# KiCad board HPM6750_ADC_EVK_RevA.kicad_pcb (continued)
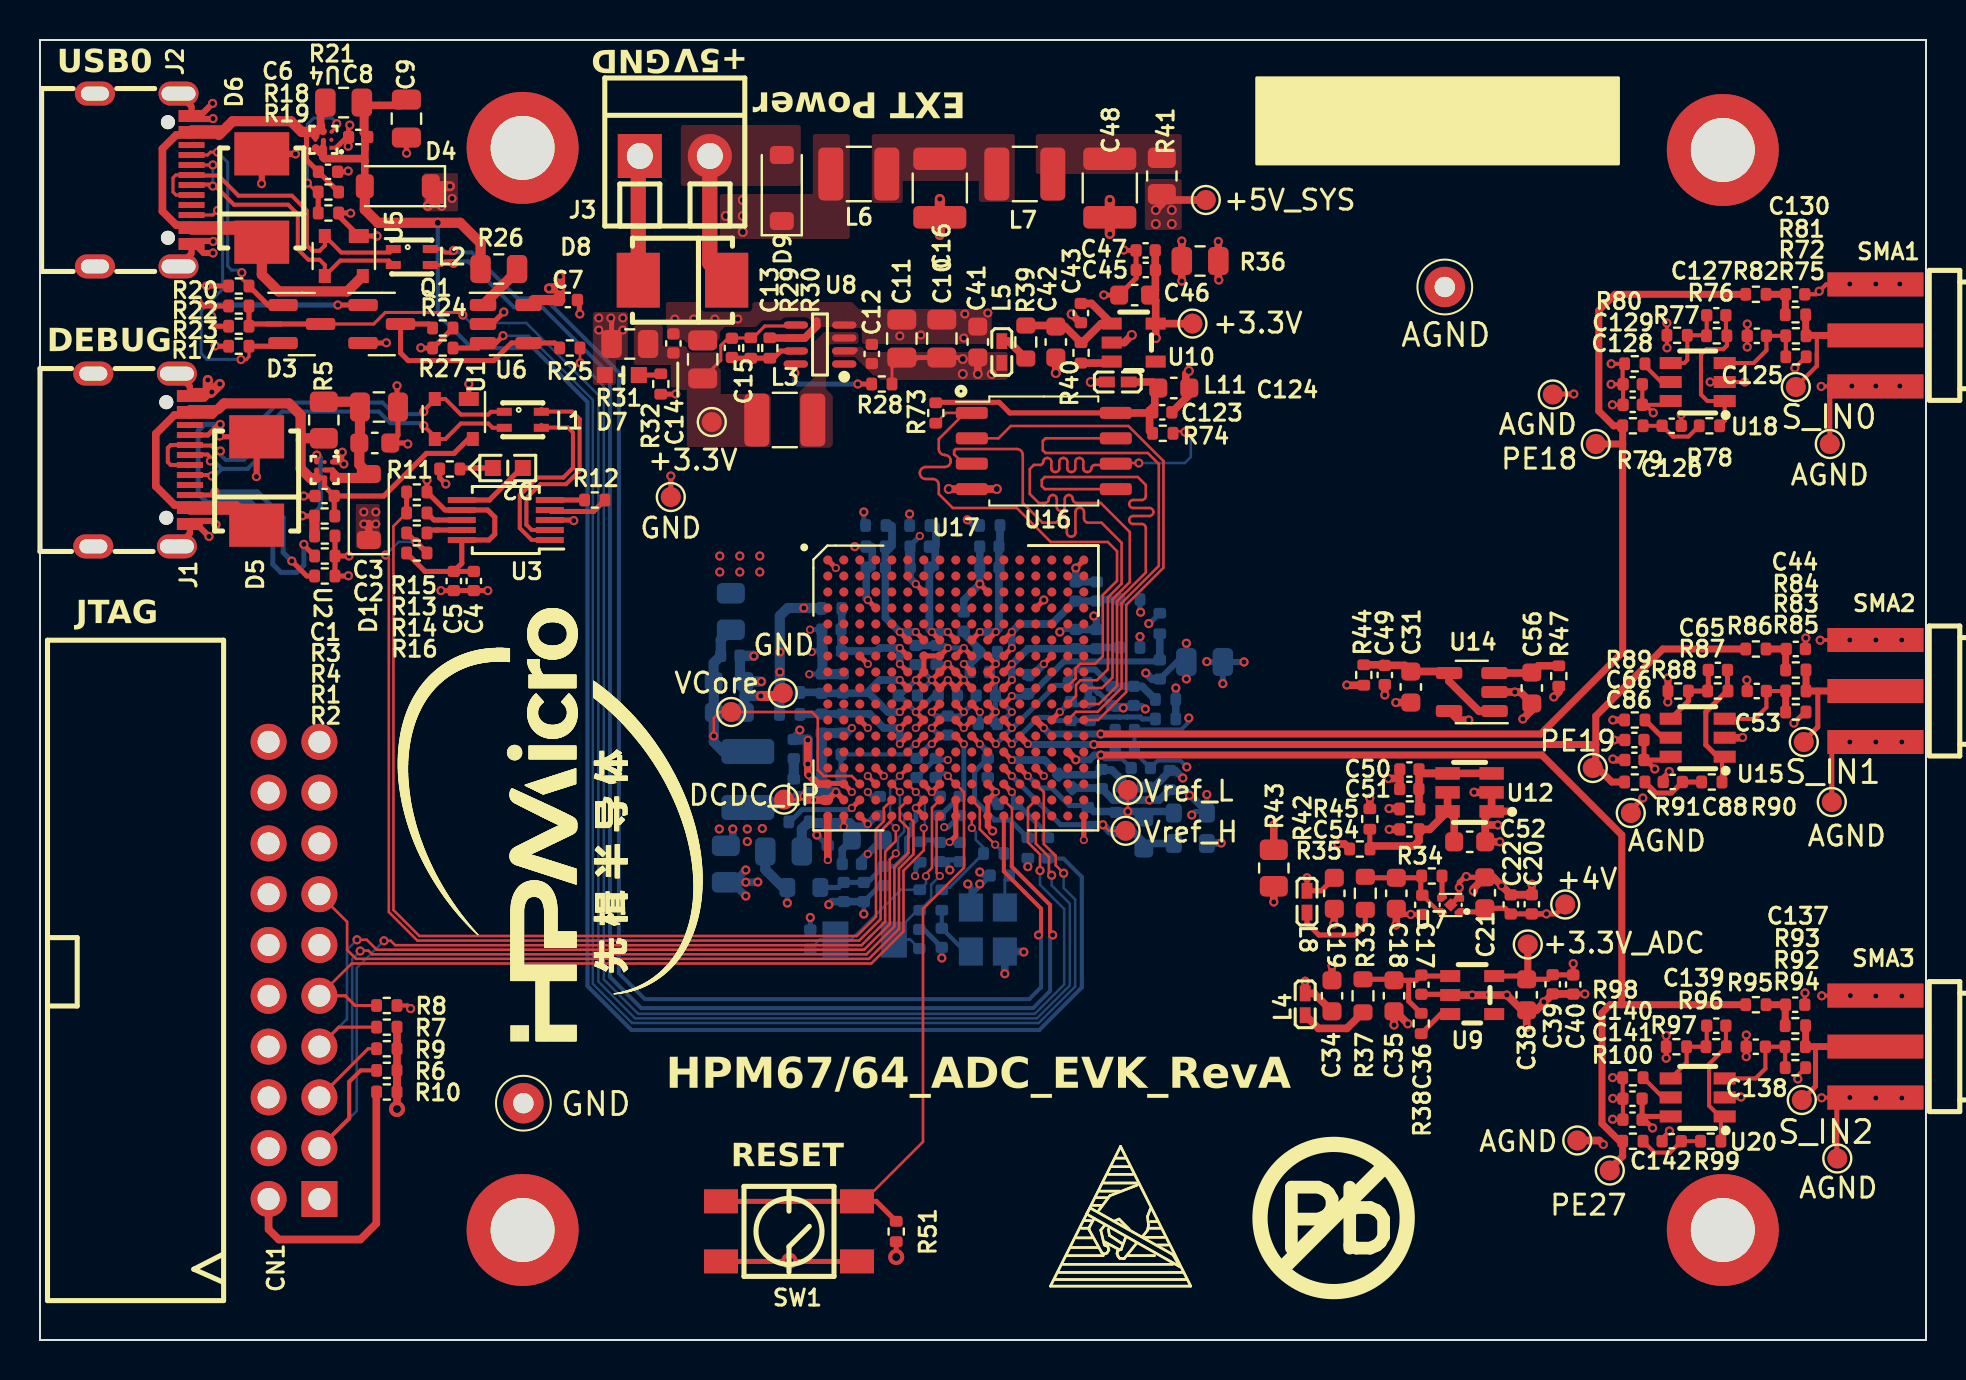
[diagram p0: board, top side]
## Footprints (pads in the part's own frame, mm; a bottom-side part is the same pattern mirrored in y, then rotated)
3215
  rect 1.3x1.801 smd: 1(-1.458,0) 2(1.458,0)
BGA-289_17x17_14.0x14.0mm
  round 0.45 smd: A1(-6.4,6.4) A2(-5.6,6.4) A3(-4.8,6.4) A4(-4,6.4) A5(-3.2,6.4) A6(-2.4,6.4) A7(-1.6,6.4) A8(-0.8,6.4) A9(0,6.4) A10(0.8,6.4) A11(1.6,6.4) A12(2.4,6.4) A13(3.2,6.4) A14(4,6.4) A15(4.8,6.4) A16(5.6,6.4) A17(6.4,6.4) B1(-6.4,5.6) B2(-5.6,5.6) B3(-4.8,5.6) B4(-4,5.6) B5(-3.2,5.6) B6(-2.4,5.6) B7(-1.6,5.6) B8(-0.8,5.6) B9(0,5.6) B10(0.8,5.6) B11(1.6,5.6) B12(2.4,5.6) B13(3.2,5.6) B14(4,5.6) B15(4.8,5.6) B16(5.6,5.6) B17(6.4,5.6) C1(-6.4,4.8) C2(-5.6,4.8) C3(-4.8,4.8) C4(-4,4.8) C5(-3.2,4.8) C6(-2.4,4.8) C7(-1.6,4.8) C8(-0.8,4.8) C9(0,4.8) C10(0.8,4.8) C11(1.6,4.8) C12(2.4,4.8) C13(3.2,4.8) C14(4,4.8) C15(4.8,4.8) C16(5.6,4.8) C17(6.4,4.8) D1(-6.4,4) D2(-5.6,4) D3(-4.8,4) D4(-4,4) D5(-3.2,4) D6(-2.4,4) D7(-1.6,4) D8(-0.8,4) D9(0,4) D10(0.8,4) D11(1.6,4) D12(2.4,4) D13(3.2,4) D14(4,4) D15(4.8,4) D16(5.6,4) D17(6.4,4) E1(-6.4,3.2) E2(-5.6,3.2) E3(-4.8,3.2) E4(-4,3.2) E5(-3.2,3.2) E6(-2.4,3.2) E7(-1.6,3.2) E8(-0.8,3.2) E9(0,3.2) E10(0.8,3.2) E11(1.6,3.2) E12(2.4,3.2) E13(3.2,3.2) E14(4,3.2) E15(4.8,3.2) E16(5.6,3.2) E17(6.4,3.2) F1(-6.4,2.4) F2(-5.6,2.4) F3(-4.8,2.4) F4(-4,2.4) F5(-3.2,2.4) F6(-2.4,2.4) F7(-1.6,2.4) F8(-0.8,2.4) F9(0,2.4) F10(0.8,2.4) F11(1.6,2.4) F12(2.4,2.4) F13(3.2,2.4) F14(4,2.4) F15(4.8,2.4) F16(5.6,2.4) F17(6.4,2.4) G1(-6.4,1.6) G2(-5.6,1.6) G3(-4.8,1.6) G4(-4,1.6) G5(-3.2,1.6) G6(-2.4,1.6) G7(-1.6,1.6) G8(-0.8,1.6) G9(0,1.6) G10(0.8,1.6) G11(1.6,1.6) G12(2.4,1.6) G13(3.2,1.6) G14(4,1.6) G15(4.8,1.6) G16(5.6,1.6) G17(6.4,1.6) H1(-6.4,0.8) H2(-5.6,0.8) H3(-4.8,0.8) H4(-4,0.8) H5(-3.2,0.8) H6(-2.4,0.8) H7(-1.6,0.8) H8(-0.8,0.8) H9(0,0.8) H10(0.8,0.8) H11(1.6,0.8) H12(2.4,0.8) H13(3.2,0.8) H14(4,0.8) H15(4.8,0.8) H16(5.6,0.8) H17(6.4,0.8) J1(-6.4,0) J2(-5.6,0) J3(-4.8,0) J4(-4,0) J5(-3.2,0) J6(-2.4,0) J7(-1.6,0) J8(-0.8,0) J9(0,0) J10(0.8,0) J11(1.6,0) J12(2.4,0) J13(3.2,0) J14(4,0) J15(4.8,0) J16(5.6,0) J17(6.4,0) K1(-6.4,-0.8) K2(-5.6,-0.8) K3(-4.8,-0.8) K4(-4,-0.8) K5(-3.2,-0.8) K6(-2.4,-0.8) K7(-1.6,-0.8) K8(-0.8,-0.8) K9(0,-0.8) K10(0.8,-0.8) K11(1.6,-0.8) K12(2.4,-0.8) K13(3.2,-0.8) K14(4,-0.8) K15(4.8,-0.8) K16(5.6,-0.8) K17(6.4,-0.8) L1(-6.4,-1.6) L2(-5.6,-1.6) L3(-4.8,-1.6) L4(-4,-1.6) L5(-3.2,-1.6) L6(-2.4,-1.6) L7(-1.6,-1.6) L8(-0.8,-1.6) L9(0,-1.6) L10(0.8,-1.6) L11(1.6,-1.6) L12(2.4,-1.6) L13(3.2,-1.6) L14(4,-1.6) L15(4.8,-1.6) L16(5.6,-1.6) L17(6.4,-1.6) M1(-6.4,-2.4) M2(-5.6,-2.4) M3(-4.8,-2.4) M4(-4,-2.4) M5(-3.2,-2.4) M6(-2.4,-2.4) M7(-1.6,-2.4) M8(-0.8,-2.4) M9(0,-2.4) M10(0.8,-2.4) M11(1.6,-2.4) M12(2.4,-2.4) M13(3.2,-2.4) M14(4,-2.4) M15(4.8,-2.4) M16(5.6,-2.4) M17(6.4,-2.4) N1(-6.4,-3.2) N2(-5.6,-3.2) N3(-4.8,-3.2) N4(-4,-3.2) N5(-3.2,-3.2) N6(-2.4,-3.2) N7(-1.6,-3.2) N8(-0.8,-3.2) N9(0,-3.2) N10(0.8,-3.2) N11(1.6,-3.2) N12(2.4,-3.2) N13(3.2,-3.2) N14(4,-3.2) N15(4.8,-3.2) N16(5.6,-3.2) N17(6.4,-3.2) P1(-6.4,-4) P2(-5.6,-4) P3(-4.8,-4) P4(-4,-4) P5(-3.2,-4) P6(-2.4,-4) P7(-1.6,-4) P8(-0.8,-4) P9(0,-4) P10(0.8,-4) P11(1.6,-4) P12(2.4,-4) P13(3.2,-4) P14(4,-4) P15(4.8,-4) P16(5.6,-4) P17(6.4,-4) R1(-6.4,-4.8) R2(-5.6,-4.8) R3(-4.8,-4.8) R4(-4,-4.8) R5(-3.2,-4.8) R6(-2.4,-4.8) R7(-1.6,-4.8) R8(-0.8,-4.8) R9(0,-4.8) R10(0.8,-4.8) R11(1.6,-4.8) R12(2.4,-4.8) R13(3.2,-4.8) R14(4,-4.8) R15(4.8,-4.8) R16(5.6,-4.8) R17(6.4,-4.8) T1(-6.4,-5.6) T2(-5.6,-5.6) T3(-4.8,-5.6) T4(-4,-5.6) T5(-3.2,-5.6) T6(-2.4,-5.6) T7(-1.6,-5.6) T8(-0.8,-5.6) T9(0,-5.6) T10(0.8,-5.6) T11(1.6,-5.6) T12(2.4,-5.6) T13(3.2,-5.6) T14(4,-5.6) T15(4.8,-5.6) T16(5.6,-5.6) T17(6.4,-5.6) U1(-6.4,-6.4) U2(-5.6,-6.4) U3(-4.8,-6.4) U4(-4,-6.4) U5(-3.2,-6.4) U6(-2.4,-6.4) U7(-1.6,-6.4) U8(-0.8,-6.4) U9(0,-6.4) U10(0.8,-6.4) U11(1.6,-6.4) U12(2.4,-6.4) U13(3.2,-6.4) U14(4,-6.4) U15(4.8,-6.4) U16(5.6,-6.4) U17(6.4,-6.4)
C_0402_1005Metric
  rrect 0.56x0.62 smd: 1(-0.48,0) 2(0.48,0)
C_0603_1608Metric
  rrect 0.9x0.95 smd: 1(-0.775,0) 2(0.775,0)
C_0805_2012Metric
  rrect 1x1.45 smd: 1(-0.95,0) 2(0.95,0)
CONN-TH_2P-P3.50_L7.4-W7.0
  rect 2.2x2.2 hole 1.3: 1(-1.75,0)
  round 2.2 hole 1.3: 2(1.75,0)
Crystal_SMD_3225-4Pin_3.2x2.5mm
  rect 1.4x1.2 smd: 1(-1.1,-0.85) 2(1.1,-0.85) 3(1.1,0.85) 4(-1.1,0.85)
D_SOD-123
  rrect 0.9x1.2 smd: 1(-1.65,0) 2(1.65,0)
FCQFN-9
  rect 0.2x0.2 smd: A1(-0.4,0.4)
  round 0.2 smd: A2(0,0.4) A3(0.4,0.4) B1(-0.4,0) B2(0,0) B3(0.4,0) C1(-0.4,-0.4) C2(0,-0.4) C3(0.4,-0.4)
IDC-TH_20P_90°
  rect 1.8x1.8 hole 1.1: 1(11.43,1.27)
  round 1.8 hole 1.1: 2(11.43,-1.27) 3(8.89,1.27) 4(8.89,-1.27) 5(6.35,1.27) 6(6.35,-1.27) 7(3.81,1.27) 8(3.81,-1.27) 9(1.27,1.27) 10(1.27,-1.27) 11(-1.27,1.27) 12(-1.27,-1.27) 13(-3.81,1.27) 14(-3.81,-1.27) 15(-6.35,1.27) 16(-6.35,-1.27) 17(-8.89,1.27) 18(-8.89,-1.27) 19(-11.43,1.27) 20(-11.43,-1.27)
KEY-SMD_4P-L4.5-W4.5
  rect 1.699x1.199 smd: 1(-3.401,-1.501) 2(3.401,-1.501) 3(3.401,1.501) 4(-3.401,1.501)
L0402
  rect 0.79x0.54 smd: 1(-0.545,0) 2(0.545,0)
L_1210_3225Metric
  rrect 1.25x2.65 smd: 1(-1.4,0) 2(1.4,0)
LED
  rect 0.8x0.8 smd: 1(0.75,0) 2(-0.75,0)
LED0603
  rect 0.8x0.8 smd: 1(0.851,0) 2(-0.851,0)
MountingHole_3.2mm_M3_DIN965_Pad
  round 5.6 hole 3.2: 1(0,0)
MountingHole_3.2mm_M3_DIN965_Pad#2
  round 5.6 hole 3.2: 1(0,0.105)
MSOP-10_3x3mm_P0.5mm
  rect 1.4x0.3 smd: 1(-2.2,1) 2(-2.2,0.5) 3(-2.2,0) 4(-2.2,-0.5) 5(-2.2,-1) 6(2.2,-1) 7(2.2,-0.5) 8(2.2,0) 9(2.2,0.5) 10(2.2,1)
R_0402_1005Metric
  rrect 0.54x0.64 smd: 1(-0.51,0) 2(0.51,0)
R_0603_1608Metric
  rrect 0.8x0.95 smd: 1(-0.825,0) 2(0.825,0)
R_0805_2012Metric
  rrect 1.025x1.4 smd: 1(-0.912,0) 2(0.912,0)
R_1210_3225Metric
  rrect 1.125x2.65 smd: 1(-1.462,0) 2(1.462,0)
SMA-SMD_BWSMA-KE-P001
  rect 4.8x1.2 smd: 1(0,-2.55) 2(0,2.55) 5(0,0)
  rect 4.8x1.2 smd far side: 3(0,2.55) 4(0,-2.55)
SMB(DO-214AA)_S1
  rect 2.159x2.743 smd: 1(2.21,0) 2(-2.21,0)
SMD_4P_DLW21H
  rect 0.75x0.4 smd: 1(-0.925,0.4) 2(0.925,0.4) 3(0.925,-0.4) 4(-0.925,-0.4)
SOIC-8_5.23x5.23mm_P1.27mm
  rrect 1.6x0.6 smd: 1(-3.6,1.905) 2(-3.6,0.635) 3(-3.6,-0.635) 4(-3.6,-1.905) 5(3.6,-1.905) 6(3.6,-0.635) 7(3.6,0.635) 8(3.6,1.905)
SOT-23
  rrect 1.475x0.6 smd: 1(-0.938,0.95) 2(-0.938,-0.95) 3(0.938,0)
SOT-23-5
  rrect 1.325x0.6 smd: 1(-1.137,0.95) 2(-1.137,0) 3(-1.137,-0.95) 4(1.137,-0.95) 5(1.137,0.95)
SOT-23-5_L2.9-W1.6-P0.95-LS2.8-BR
  rect 1x0.6 smd: 1(1.1,-0.95) 2(1.1,0) 3(1.1,0.95) 4(-1.1,0.95) 5(-1.1,-0.95)
SOT-23-6_L2.9-W1.6-P0.95-LS2.8-BR
  rect 1.1x0.6 smd: 1(1.35,-0.95) 2(1.35,0) 3(1.35,0.95) 4(-1.35,0.95) 5(-1.35,0) 6(-1.35,-0.95)
SOT-143
  rect 0.7x1 smd: 1(-1,0.75)
  rect 0.7x0.6 smd: 2(-1,-0.95) 3(1,-0.95) 4(1,0.95)
Test_Point_D1.02mm
  round 2.02 hole 1.02: 1(0,0)
TestPoint_Pad_D1.0mm
  round 1 smd: 1(0,0)
TSOT-23-6_L2.9-W1.6-P0.95-LS2.8-TL
  rect 1.219x0.622 smd: 1(-1.1,0.95) 2(-1.1,0) 3(-1.1,-0.95) 4(1.1,-0.95) 5(1.1,0) 6(1.1,0.95)
TSOT-23-8_L2.9-W1.6-P0.65-LS2.8-BR
  oval 1.222x0.364 smd: 1(1.211,-0.975) 2(1.211,-0.325) 3(1.211,0.325) 4(1.211,0.975) 5(-1.211,0.975) 6(-1.211,0.325) 7(-1.211,-0.325) 8(-1.211,-0.975)
USB-C-SMD_KH-TYPE-C-16P
  round 0.7 hole 0.7 unplated: (-2.89,1.235) (2.89,1.235)
  oval 1.2x2 hole 0.7x1.7: 1(-4.32,1.765) 2(4.32,1.765)
  oval 1.2x2 hole 0.7x1.4: 3(-4.32,-2.415) 4(4.32,-2.415)
  rect 0.3x1.3 smd: A1(-3.35,2.415) A4(-2.55,2.415) A5(-1.25,2.415) A6(-0.25,2.415) A7(0.25,2.415) A8(1.25,2.415) A9(2.55,2.415) A12(3.35,2.415) B1(3.05,2.415) B4(2.25,2.415) B5(1.75,2.415) B6(0.75,2.415) B7(-0.75,2.415) B8(-1.75,2.415) B9(-2.25,2.415) B12(-3.05,2.415)
X2SON-4_L1.0-W1.0-P0.65-TL-EP
  custom 0.48x0.34 smd: 1(-0.43,0.325) 2(-0.43,-0.325) 3(0.43,-0.325) 4(0.43,0.325)
  rect 0.48x0.48 smd rot 45: 5(0,0)

## Nets
5V_Debug: C1.1 D5.2 J1.A4 J1.A9 J1.B4 J1.B9 R3.1 R5.2 U1.4 U2.B3 U2.C2 U2.C3
5V_SYS: C10.1 C11.1 C12.1 C19.1 C34.1 C41.1 L4.1 L5.1 L8.1 R28.1 R41.2 TP2.1 U8.2
+1.2VCore: C27.1 C81.1 C84.1 L9.2 R54.1 TP13.1 U17.R3
+3.3V_ADC_IO: C45.1 C46.1 C47.1 R67.2 R71.2 TP5.1 U10.5
+3.3VADC: C38.1 C39.1 C40.1 C100.1 L10.1 TP4.1 U9.5
+3V3: C4.1 C5.1 CN1.1 D7.2 L11.2 R6.1 R7.2 R9.2 R10.2 R15.1 R16.1 R22.2 R24.2 R27.1 R31.1 R49.1 R50.1 R51.1 R52.2 R57.1 R62.2 R63.2 R64.2 R65.2 R66.2 R68.2 R69.2 R70.2 R105.1 U3.7 U3.10
+4V_OPA: C20.1 C21.1 C22.1 C66.1 C86.1 C128.1 C129.1 C140.1 C141.1 R45.1 TP6.1 U7.1 U14.5 U15.6 U18.6 U20.6
+5V: C7.1 D1.1 D4.1 D9.1 L6.1 U6.5
GND: C1.2 C2.2 C3.2 C4.2 C5.2 C6.2 C7.2 C8.2 C9.2 C10.2 C11.2 C12.2 C14.2 C15.2 C16.2 C19.2 C27.2 C34.2 C37.2 C41.2 C42.2 C43.2 C45.2 C46.2 C47.2 C48.2 C57.2 C58.2 C59.2 C60.2 C61.2 C62.2 C63.2 C64.2 C67.2 C68.2 C69.2 C70.2 C71.2 C74.2 C78.2 C80.2 C81.2 C83.2 C84.2 C85.2 C87.2 C89.2 C90.2 C91.2 C92.2 C93.2 C94.2 C95.2 C98.2 C101.2 C102.2 C103.2 C104.2 C105.2 C106.2 C107.2 C108.2 C109.2 C110.2 C111.2 C112.2 C113.2 C114.2 C115.2 C116.2 C117.2 C118.2 C119.2 C120.2 C121.2 C122.2 C123.2 C124.2 CN1.4 CN1.6 CN1.8 CN1.10 CN1.12 CN1.14 CN1.16 CN1.18 CN1.20 D5.1 D6.1 D8.1 J1.1 J1.2 J1.3 J1.4 J1.A1 J1.A12 J1.B1 J1.B12 J2.1 J2.2 J2.3 J2.4 J2.A1 J2.A12 J2.B1 J2.B12 J3.1 Q1.2 R1.2 R2.2 R4.1 R8.1 R11.2 R17.2 R19.1 R20.2 R30.1 R32.2 R36.1 R43.1 R106.1 R107.2 SW1.1 SW1.2 TP1.1 TP7.1 TP8.1 U1.1 U2.A1 U3.3 U4.A1 U5.1 U6.2 U8.4 U8.6 U10.2 U16.4 U17.A1 U17.A17 U17.C7 U17.C11 U17.D4 U17.D14 U17.G3 U17.G7 U17.G8 U17.G9 U17.G10 U17.G11 U17.G15 U17.H7 U17.H11 U17.J7 U17.J11 U17.K7 U17.K11 U17.L3 U17.L7 U17.L8 U17.L9 U17.L10 U17.L11 U17.L15 U17.P4 U17.P14 U17.R7 U17.R8 U17.R11 U17.T11 U17.U1 U17.U11 U17.U17 Y1.2 Y1.4
GNDA: C17.2 C18.2 C20.2 C21.2 C22.2 C23.2 C24.2 C25.2 C31.2 C35.2 C36.2 C38.2 C39.2 C40.2 C44.2 C49.2 C50.2 C51.2 C52.2 C53.2 C54.2 C56.2 C66.2 C75.2 C77.2 C86.2 C88.2 C100.2 C125.2 C126.2 C128.2 C129.2 C130.2 C137.2 C138.2 C140.2 C141.2 C142.2 R36.2 R43.2 R58.2 R75.1 R77.2 R80.2 R85.1 R88.2 R89.2 R94.1 R97.2 R98.2 R106.2 SMA1.1 SMA1.2 SMA1.3 SMA1.4 SMA2.1 SMA2.2 SMA2.3 SMA2.4 SMA3.1 SMA3.2 SMA3.3 SMA3.4 TP15.1 TP17.1 TP19.1 TP22.1 TP23.1 TP25.1 TP26.1 U7.2 U7.5 U9.2 U12.1 U12.2 U14.2 U15.2 U18.2 U20.2
VBAT: C63.1 C64.1 R50.2 U17.T9 U17.U9
VBUS: C8.1 C9.1 D4.2 R21.1 R26.2 R56.1 U4.A2 U4.A3 U4.B2
VDD_BATCAP_1V1: C37.1 U17.M8
VDD_OTPCAP_2V5: C59.1 C60.1 U17.M7
VDD_PMCCAP_1V1: C61.1 C62.1 U17.M9
/DEBUG/DN1: J1.A7 J1.B7 L1.1 U1.2
/DEBUG/DP1: J1.A6 J1.B6 L1.4 U1.3
/DEBUG/PY0_JTAG_TDO: CN1.13 U17.U6
/DEBUG/PY1_JTAG_TDI: CN1.5 R9.1 U17.T6
/DEBUG/PY2_JTAG_TCK: CN1.9 R8.2 U17.R6
/DEBUG/PY3_JTAG_TMS: CN1.7 R7.1 U17.R5
/DEBUG/PY4_JTAG_TRST: CN1.3 R6.2 U17.P6
/DEBUG/PY6_URT0.TXD: R14.2 R16.2 U17.U5
/DEBUG/PY7_URT0.RXD: R13.2 R15.2 U17.T5
/DEBUG/USB2UART_N: L1.2 U3.2
/DEBUG/USB2UART_P: L1.3 U3.1
/HPM6750-IO3/CA_CS0: R73.2 U16.1 U17.J16
/HPM6750-IO3/CA_D0: U16.5 U17.K17
/HPM6750-IO3/CA_D1: U16.2 U17.L17
/HPM6750-IO3/CA_D2: U16.3 U17.K16
/HPM6750-IO3/CA_D3: U16.7 U17.L16
/HPM6750-IO3/CA_SCLK: R74.2 U16.6 U17.J17
/HPM6750-IO4/PE18: C24.1 R79.2 R82.2 TP20.1 U17.L14
/HPM6750-IO4/PE19: C23.1 R86.2 R91.2 TP24.1 U17.M13
/HPM6750-IO4/PE27: C25.1 R95.2 R100.2 TP18.1 U17.N16
/HPM6750-IO4/USB0_ID: D3.3 R22.1 R23.2 U17.U14
/HPM6750-IO4/USB0_OC: R27.2 U6.3 U17.R14
/HPM6750-IO4/USB0_PWR: R25.1 U17.T14
/HPM6750-OSC-USB/USB0_DN: L2.3 U17.T12
/HPM6750-OSC-USB/USB0_DP: L2.2 U17.U12
/HPM6750-POWER/VANA: C75.1 C77.1 L10.2 U17.N12
/HPM6750-VPMC-VBAT/BUTTON_RESET_N: C68.1 R51.2 SW1.3 SW1.4 U17.R9
/Power/DCDC_3.3V: C13.1 C14.1 C15.1 L3.1 R29.2 R31.2 TP3.1 U8.5
/Power/SW: L3.2 U8.3
/USB/DN: J2.A7 J2.B7 L2.4 U5.3
/USB/DP: J2.A6 J2.B6 L2.1 U5.2
/USB/VUSB_IN: C6.1 D6.2 J2.A4 J2.A9 J2.B4 J2.B9 R18.1 R21.2 U4.B3 U4.C2 U4.C3 U5.4
DCDC_GND: C72.2 C73.2 C76.2 C96.2 C97.2 R107.1 U17.R1 U17.R2
VCore: C71.1 C78.1 C80.1 C83.1 C85.1 C87.1 C89.1 C90.1 C91.1 C98.1 R54.2 U17.H8 U17.H9 U17.H10 U17.J8 U17.J9 U17.J10 U17.K8 U17.K9 U17.K10
VREFH: R35.2 R44.2 R61.2
Net-(C16-Pad1): C16.1 L6.2 L7.1
Net-(C44-Pad1): C44.1 R84.2 R86.1
Net-(C48-Pad1): C48.1 L7.2 R41.1
Net-(C57-Pad1): C57.1 C58.1 C67.1 R49.2 U17.R4 U17.T7 U17.U7
Net-(C72-Pad1): C72.1 C73.1 C76.1 C96.1 R53.1 R57.2 U17.U2 U17.U3
Net-(C88-Pad1): C88.1 R90.2 R91.1
Net-(C97-Pad1): C97.1 R55.1
Net-(C101-Pad1): C70.1 C101.1 R52.1 U17.F6 U17.F7
Net-(C102-Pad1): C102.1 C104.1 R63.1 U17.F10 U17.F11
Net-(C103-Pad1): C103.1 C105.1 R62.1 U17.F8 U17.F9
Net-(C106-Pad1): C106.1 C109.1 R64.1 U17.L6 U17.M6
Net-(C107-Pad1): C107.1 C113.1 R65.1 U17.J6 U17.K6
Net-(C108-Pad1): C108.1 C112.1 R66.1 U17.G6 U17.H6
Net-(C110-Pad1): C110.1 C116.1 R68.1 U17.F12 U17.G12
Net-(C114-Pad1): C114.1 C118.1 R69.1 U17.H12 U17.J12
Net-(C126-Pad1): C126.1 R78.2 R79.1
Net-(C130-Pad1): C130.1 R81.2 R82.1
Net-(C137-Pad1): C137.1 R93.2 R95.1
Net-(C142-Pad1): C142.1 R99.2 R100.1
Net-(CN1-Pad2): CN1.2 R10.1
Net-(D1-A): C2.1 C3.1 D1.2 R5.1 U2.A2 U2.A3 U2.B2
Net-(D2-A): D2.2 U3.6
Net-(D2-K): D2.1 R11.1
Net-(D7-K): D7.1 R32.1
Net-(D8-K): D8.2 D9.2 J3.2
Net-(J1-CC1): J1.A5 R1.1
Net-(J1-CC2): J1.B5 R2.1
Net-(J2-CC1): D3.1 J2.A5 R20.1
Net-(J2-CC2): D3.2 J2.B5 R17.1
Net-(L4-Pad2): L4.2 R37.1
Net-(L5-Pad2): L5.2 R39.1
Net-(L8-Pad2): L8.2 R33.1
Net-(L9-Pad1): L9.1 R55.2 TP11.1 U17.T1 U17.T2
Net-(Q1-D): Q1.3 R24.1 R25.2 U6.4
Net-(Q1-G): Q1.1 R23.1
Net-(QZ1-OSC1): C94.1 QZ1.1 R60.2 U17.T8
Net-(QZ1-OSC2): C95.1 QZ1.2 R60.1 U17.U8
Net-(R42-Pad1): R42.1 R47.1
Net-(R72-Pad1): R72.1 R81.1 SMA1.5 TP12.1
Net-(R83-Pad1): R83.1 R84.1 SMA2.5 TP16.1
Net-(R92-Pad1): R92.1 R93.1 SMA3.5 TP21.1
Net-(U2-OVLO): R3.2 R4.2 U2.C1
Net-(U3-RXD): R14.1 U3.9
Net-(U3-TXD): R13.1 U3.8
Net-(U3-~{CTS}): R12.2 U3.5
Net-(U3-~{RTS}): R12.1 U3.4
Net-(U4-OVLO): R18.2 R19.2 U4.C1
Net-(U6-OUT): R26.1 U6.1
Net-(U7-EN): R34.1 U7.3
Net-(U7-IN): C17.1 C18.1 R33.2 R34.2 U7.4
Net-(U8-EN): R28.2 U8.8
Net-(U8-FB): C13.2 R29.1 R30.2 U8.7
Net-(U9-EN): R38.1 U9.3
Net-(U9-IN): C35.1 C36.1 R37.2 R38.2 U9.1
Net-(U10-EN): R40.1 U10.3
Net-(U10-IN): C42.1 C43.1 R39.2 R40.2 U10.1
Net-(U12-ENABLE): C50.1 C51.1 R45.2 U12.3 U12.4
Net-(U12-OUT_F): C52.1 C54.1 R35.1 R42.2 U12.5 U12.6
Net-(U14-+): C56.1 R47.2 U14.3
Net-(U14--): C31.1 C49.1 R44.1 U14.1 U14.4
Net-(U15-+IN): C53.1 R83.2 R85.2 U15.3
Net-(U15--IN): C65.2 R87.2 R88.1 U15.4
Net-(U15-MODE): R89.1 U15.5
Net-(U15-OUT): C65.1 R87.1 R90.1 U15.1
Net-(U16-VCC): C123.1 C124.1 L11.1 R73.1 R74.1 U16.8
Net-(U17A-DCDC_PSW): R53.2 U17.T3
Net-(U17A-VREFH): C79.1 C82.1 C99.1 R61.1 TP14.1 U17.P12
Net-(U17A-VREFL): C79.2 C82.2 C99.2 R58.1 TP10.1 U17.P13
Net-(U17B-XTAL_IN): C92.1 R59.1 U17.T10 Y1.3
Net-(U17B-XTAL_OUT): R59.2 R102.2 U17.U10
Net-(U17E-USB0_VBUS): C74.1 R56.2 U17.R12
Net-(U17E-VUSB): C69.1 R105.2 U17.M10
Net-(U17G-VIO_B08): C115.1 C119.1 R70.1 U17.K12
Net-(U17I-VIO_B09): C120.1 C121.1 C122.1 R71.1 U17.L12 U17.M11
Net-(U17I-VIO_B10): C111.1 C117.1 R67.1 U17.M12
Net-(U18-+IN): C125.1 R72.2 R75.2 U18.3
Net-(U18--IN): C127.2 R76.2 R77.1 U18.4
Net-(U18-MODE): R80.1 U18.5
Net-(U18-OUT): C127.1 R76.1 R78.1 U18.1
Net-(U20-+IN): C138.1 R92.2 R94.2 U20.3
Net-(U20--IN): C139.2 R96.2 R97.1 U20.4
Net-(U20-MODE): R98.1 U20.5
Net-(U20-OUT): C139.1 R96.1 R99.1 U20.1
Net-(Y1-X1): C93.1 R102.1 Y1.1

Pads without a net: CN1 11 15 17 19; H1 1; H2 1; H3 1; H4 1; J1 A8 B8; J2 A8 B8; U2 B1; U4 B1; U8 1; U9 4; U10 4; U17 A2 A3 A4 A5 A6 A7 A8 A9 A10 A11 A12 A13 A14 A15 A16 B1 B2 B3 B4 B5 B6 B7 B8 B9 B10 B11 B12 B13 B14 B15 B16 B17 C1 C2 C3 C4 C5 C6 C8 C9 C10 C12 C13 C14 C15 C16 C17 D1 D2 D3 D5 D6 D7 D8 D9 D10 D11 D12 D13 D15 D16 D17 E1 E2 E3 E4 E5 E6 E7 E8 E9 E10 E11 E12 E13 E14 E15 E16 E17 F1 F2 F3 F4 F5 F13 F14 F15 F16 F17 G1 G2 G4 G5 G13 G14 G16 G17 H1 H2 H3 H4 H5 H13 H14 H15 H16 H17 J1 J2 J3 J4 J5 J13 J14 J15 K1 K2 K3 K4 K5 K13 K14 K15 L1 L2 L4 L5 L13 M1 M2 M3 M4 M5 M14 M15 M16 M17 N1 N2 N3 N4 N5 N6 N7 N8 N9 N10 N11 N13 N14 N15 N17 P1 P2 P3 P5 P7 P8 P9 P10 P11 P15 P16 P17 R10 R13 R15 R16 R17 T4 T13 T15 T16 T17 U4 U13 U15 U16

## Via types
v1: diameter 0.406, hole 0.254, Top to Bottom, 96 vias
v2: diameter 0.457, hole 0.254, Top to Bottom, 289 vias
v3: diameter 0.5, hole 0.3, Top to Bottom, 21 vias
v4: diameter 0.8, hole 0.4, Top to Bottom, 3 vias

## Routing (per net, layer and track width the routed paths; a pad name or vN(x,y) marks a point on that pad's centre or on a via; arc(x,y) is an arc through that point)
5V_Debug: length 37.5
  Top w0.254: U2.C2 U2.C3 U2.B3 14.23,42.68 C1.1 ; C1.1 17.19,42.2 19.32,44.33 20.7,44.33 21.42,45.05 U1.4 ; C1.1 14.71,41.23 R3.1
  Top w0.381: J1.A9 10.12,41.45 D5.2 9.82,41.75 J1.B4 6.73,41.75 5.79,42.69 5.79,45.31 6.73,46.25 8.62,46.25 8.93,46.56 7.5,46.56 7.49,46.55
  Top w0.508: 8.93,46.56 9.2,46.83 12.45,46.83 13.03,46.25 13.03,45 ; R5.2 13.12,45.09 13.03,45 ; 13.03,45 13.03,43.58 13.51,43.1 U2.C3
5V_SYS: length 59.8
  Top w0.152: R28.1 42.6,48.63 C11.1
  Top w0.25: 45.89,49.12 43.84,49.12 43.54,48.82 ; 39.9,49.5 40.76,49.5
  Top w0.254: C19.1 64.06,22.46 L8.1 v2(63.35,23.11)
  Top w0.381: v2(63.26,17.94) L4.1 63.7,17.33 64.6,16.44 ; TP2.1 56.38,57 R41.2 56.09,56.8 v3(55.79,56.5) ; C41.1 v3(46.89,48.3)
  In2.Cu w0.381: v2(63.26,17.94) 63.35,18.03 v2(63.35,23.11) 63.34,23.1 57.34,23.1 55.99,24.45 55.99,27.53 56,27.54 56,27.98 55.99,27.99 55.99,48.6 55.4,49.19 48.48,49.19 v3(47.59,48.3)
  vias: v3(46.14,49.05) v3(46.14,48.3) v3(55.79,55.8) v3(56.59,56.5) v3(56.59,55.8)
+1.2VCore: length 19.3
  Top w0.127: U17.R3 40.59,28.2 39.19,28.2 38.89,28.5 38.89,31.1 38.59,31.4 33.99,31.4 33.69,31.1 v2(33.69,30.2)
  Top w0.254: U17.R3 41.04,27.8
  Bottom w0.508: 35.39,29.42 34.16,29.42 33.69,29.9 v2(33.69,30.2) C81.1 33.69,32.92 C27.1 33.68,33.86 C84.1 34.04,35.01 R54.1
+3.3V_ADC_IO: length 26.5
  Top w0.381: U10.5 55.78,50.11 v3(55.79,50.1) ; U10.5 TP5.1 ; U10.5 55.86,50.74 ; U10.5 55.78,51.97 C46.1 ; C46.1 55.77,52.51 C45.1 55.76,53.51 C47.1 ; C46.1 55.23,52.52
  In2.Cu w0.381: v3(55.79,50.1) 56.69,49.2 56.69,32.7 v2(56.79,32.6)
  Bottom w0.381: 56.79,30.92 R71.2 v2(56.79,32.6)
+3.3VADC: length 34.6
  Top w0.254: v2(57.14,28.1) 57.04,28.1 ; v2(76.66,18.82) C40.1 75.64,18.25 C39.1 75.4,18.03 C38.1 74.17,18.2 U9.5
  Top w0.349: TP4.1 74.39,18.09 C38.1
  In2.Cu w0.381: v2(57.14,28.1) 56.94,27.9 56.94,25.1 57.89,24.15 67.79,24.15 73.14,18.8 76.64,18.8 v2(76.66,18.82)
  Bottom w0.381: 56.17,28.12 55.69,27.65 L10.1 ; 56.17,28.12 56.49,28.45 C100.1 56.76,28.48 v2(57.14,28.1) ; 56.17,28.12 55.99,27.95
+3V3: length 42.4
  Top w0.203: R7.2 R9.2 R6.1
  Top w0.25: 42.81,4.92 v4(42.81,4.15) ; R15.1 v2(19.35,42.99) ; R31.1 28.58,50.89 28.59,50.9 ; R27.1 19.05,49.6 v2(19.04,49.61) ; R22.2 8.2,51.7 v2(7.88,52.02)
  Top w0.254: R16.1 19.25,38.43 C5.1 ; C5.1 21.09,38.83 U3.10 22.45,40 22.74,40.29 22.74,41.14 22.38,41.5 U3.7 20.25,41.5 R15.1 ; C5.1 C4.1 ; R27.1 19.65,49.6 R24.2
  Top w0.381: L11.2 v3(52.54,47.9) ; R6.1 R10.2 ; R10.2 R7.2 ; R10.2 v4(17.85,11.55)
  In2.Cu w0.381: v3(52.54,47.9) 52.54,47.05
  Bottom w0.254: 44.01,23.82 43.79,23.6 43.79,23.4 ; v2(55.44,35.82) 55.48,35.82 R70.2 ; v2(55.03,36.39) 55,36.42 R68.2 ; v2(41.19,41.4) 41.19,40.82 R52.2 ; R69.2 v2(55,35.17) ; R63.2 46.66,40.72 v2(46.37,41.01) ; v2(37.36,21.85) R49.1 ; v2(49.39,23.67) R105.1 ; R62.2 v2(43.48,41.3)
  Bottom w0.508: R64.2 R65.2 36.99,32.39 36.99,36.2 37.39,36.6 39.05,36.6 R66.2 ; R57.1 36.27,23.53 37.16,22.62 R49.1
  vias: v1(43.75,23.2) v2(27.94,51.1) v2(27.94,50.5) v2(28.54,51.1) v2(29.14,51.1) v2(29.14,50.5) v2(36.99,34.4) v2(36.99,33.4) v2(38.19,36.6)
+4V_OPA: length 18.2
  Top w0.203: v2(80.66,46.36) 80.26,46.76 C128.1 ; C128.1 81.35,46.76 81.53,46.95 ; C128.1 C129.1 ; 80.21,11.02 80.11,11.02 80.27,11.18
  Top w0.25: C66.1 C86.1 81.38,29 ; 81.38,29.15 81.54,29.31 ; 80.29,29 v2(80.74,28.55) ; 80.2,29.15 80.29,29.15
  Top w0.254: 81.53,11.18 80.27,11.18 ; 70.99,21.41 72.06,21.41 C21.1 73.25,21.58 C22.1 73.55,21.31 C20.1 ; C20.1 v2(75.32,21.31) ; C20.1 75.79,21.31 TP6.1 ; 80.11,12.06 80.11,11.02 ; 80.21,11.02 v2(80.63,10.6)
  Top w0.381: v2(67.45,26.58) 67.98,26.58 ; C21.1 72.02,21.36 ; v2(71.44,31) 70.9,31 U14.5
  In2.Cu w0.254: 80.75,10.72 v2(80.63,10.6)
+5V: length 7.9
  Top w0.254: 24.68,52 U6.5 ; v2(26.01,52.59) 26.01,52
  Top w0.381: 16.44,40.82 D1.1
  Top w0.508: v2(19.39,56.7) 19.54,56.85 D4.1 ; 24.68,52 26.01,52 26,52.01 v2(26,53.18) ; D4.1 v2(20.5,57.69) ; D4.1 19.99,57.24 19.99,56.8 ; v2(26.01,52.59) 26,52.58 v2(25.45,52.58)
  vias: v2(16.19,41.4) v2(16.19,40.8) v2(16.79,41.4) v2(16.79,40.8) v2(20.09,56.69) v2(20.6,57.08) v3(34.29,56.2) v3(35.14,57) v3(35.14,56.2) v3(35.14,55.4)
GND: length 195.1
  Top w0.203: 14.86,44.13 14.63,43.91 U2.A1 ; 14.86,44.13 v2(15.11,44.39) ; 14.86,44.13 14.94,44.05 ; R8.1 18.38,16.72 v2(18.53,16.57) ; v2(15.11,44.39) 14.94,44.22 14.94,44.05 ; v2(15.11,44.39) 15.11,43.88 v2(15.19,43.8) 14.94,44.05
  Top w0.25: C124.2 57.46,47.25 ; U3.3 26.66,41 v2(26.69,40.97) ; v2(31.79,47.3) 31.78,47.29 R32.2 ; R11.2 19.98,43.11 v2(20.29,42.8) ; SW1.1 SW1.2 ; v2(54.19,54.5) 54.21,54.48 C47.2 54.8,53.51 C45.2 54.81,53.1 C46.2 53.19,52.25 v2(53.19,52.25) ; 29.91,58.82 29.94,58.85 ; TP8.1 v2(31.54,43.2)
  Top w0.254: U17.L9 v1(46.19,30.6) U17.L10 ; U17.P14 v1(50.19,28.2) ; R17.2 8.77,49.69 v2(8.76,49.7) ; R4.1 R1.2 ; R1.2 R2.2 15.41,38.2 v2(15.42,38.21) ; R1.2 v2(15.45,39.2) ; U6.2 22.59,50.8 v2(23.19,51.4) ; v2(26.99,51.3) 26.97,51.32 26.97,52 ; 8.19,47.35 8.19,47.1 8.24,47.05 ; 8.19,47.35 8.54,47.35 8.24,47.05 ; 8.19,47.35 7.49,47.35 7.74,47.35 ; v2(17.32,49.86) 17.31,49.85 Q1.2 ; v2(15.41,58.45) 15.37,58.41 C6.2 ; U17.G15 v1(50.19,33.8) ; U17.R8 v1(44.59,27.4) U17.R7 ; U17.D4 v1(41.39,37) ; v2(17.85,47.71) 17.85,46.7 C3.2 17.9,45.23 C2.2 18.34,44.85 v2(18.39,44.8) ; U17.J11 v1(47.79,33) U17.H11 v1(47.79,33.8) U17.G11 ; R20.2 v2(8.33,52.7) ; U17.J7 v1(43.79,33) U17.H7 U17.G7 U17.G8 v1(45.39,34.6) ; v2(18.33,59.34) 18.32,59.35 C9.2 ; v2(22.39,37.47) C4.2 C5.2 v2(20.05,37.47) ; U17.U17 52.19,25.14 ; 8.24,47.05 7.49,47.05 ; U17.G10 v1(46.19,34.6) U17.G9 ; U17.K7 v1(43.79,31.4) U17.L7 v1(43.79,30.6) ; U17.A17 v2(51.79,38.6) ; U17.A1 v1(39.79,38.6) ; v2(21.44,47.8) U1.1 ; U17.G3 v1(41.39,33.8) ; v2(15.49,60.74) 15.43,60.69 C8.2 ; U17.L11 v1(47.79,31.4) U17.K11 ; v2(16.85,55.2) U5.1 14.93,56.21 R19.1 15.52,56.35 v2(15.53,56.34) ; C8.2 15.43,59.71 v2(15.41,59.69) ; C8.2 15.35,60.15 14.81,59.61 14.77,59.61 ; v2(15.19,43.8) 15.09,43.9 U2.A1 ; U17.R11 v1(47.79,27.4) U17.T11 U17.U11 ; U17.C11 v2(46.99,37.8) ; U17.L3 v1(41.39,30.6) ; v2(50.19,37) U17.D14 ; C1.2 v2(13.19,42.2) ; v2(8.99,45.2) 9.03,45.16 D5.1 10.83,43.64 ; U17.P4 v1(42.19,28.2) ; U17.L8 v1(44.59,30.6) ; U17.L15 v1(50.99,31.4) ; U17.C7 v1(43.79,37.8)
  Top w0.305: v2(8.66,54.93) 8.64,54.95 J2.B1 8.18,54.35 v2(8.65,54.35) ; v2(12.77,59.3) 12.76,59.31 D6.1 11.09,57.83 v2(11.08,57.82) ; J2.1 7.58,61.67 J2.A1 8.15,61.35 v2(8.63,61.83) ; v2(47.63,25.45) 47.39,25.69 U17.U11 ; 7.49,40.95 8.62,40.95 v2(8.8,40.77) ; v2(8.65,61.07) 8.63,61.05 J2.B12 ; v2(10.82,43.17) 10.83,43.18 D5.1 ; v2(8.45,40.18) 7.98,40.65 7.49,40.65 7.49,40.33 J1.2 ; 7.49,47.35 7.49,47.67 J1.1 ; J2.A12 7.58,54.33 J2.2
  Top w0.381: v2(57.09,54.95) R36.1 v2(57.09,52.95) ; 57.29,47.78 57.29,48.3 v3(57.44,48.45) ; 57.29,47.78 57.4,47.89 ; 57.29,47.78 57.29,47.33 ; C34.2 v2(64.6,18.71) ; U10.2 54.21,49.87 v3(54.59,50.25) ; 53.91,52.29 C46.2 ; v3(47.84,42.55) 47.83,42.55 U16.4 45.44,42.55 v3(45.44,42.55) ; v2(64.69,20.8) 64.71,20.83 C19.2 ; v3(51.58,51.29) 52.01,50.87 C43.2 ; C42.2 v3(50.79,48.35) ; 36.7,50.1 U8.6 38.24,50.1 38.84,50.7 38.84,50.95 ; 57.46,47.25 C123.2 ; R43.1 v2(61.69,21.9) ; U17.U1 v1(39.39,24)
  Top w0.508: v2(44.99,57.05) C16.2 v2(44.99,55.25) ; 7.74,47.35 8.39,47.35 v2(8.39,48) ; 8.54,47.35 v2(8.99,47.8) ; TP7.1 36.99,32.2 v2(36.04,32.2) ; v2(53.49,57) C48.2 v2(53.49,55.3)
  Top w0.762: D8.1 29.91,58.82
  Bottom w0.203: 49.17,19.42 v2(49.19,19.4) ; 48.24,19.42 48.24,18.36 ; 43.5,38.63 C105.2
  Bottom w0.25: C58.2 41.99,22.72 C57.2 v2(41.19,21.3) ; C91.2 44.7,32.22 43.87,31.4 v1(43.79,31.4)
  Bottom w0.254: C80.2 44.94,30.25 v1(44.59,30.6) ; C61.2 45.41,25.64 v1(45.21,25.64) ; v2(45.49,23.5) 45.39,23.6 45.39,24 ; C101.2 v2(40.74,39.67) ; C63.2 45.91,24 45.39,24 ; v1(38.59,34.4) 38.64,34.45 C112.2 ; 52.38,32.73 52.5,32.73 52.89,32.34 52.96,32.34 53.58,31.72 C120.2 C121.2 55.09,31.72 v2(55.27,31.55) ; 45.39,24 45.07,24 C64.2 ; C107.2 38.48,33.3 v1(38.47,33.29) ; C37.2 C68.2 44.87,29 v1(45.39,29) ; C37.2 44.55,27.4 v1(44.59,27.4) 44.77,27.4 C62.2 ; C37.2 43.79,28.12 ; C71.2 47.99,30.8 v1(48.59,31.4) 47.77,32.22 C98.2 ; v2(45.09,19.1) C93.2 44.18,20.53 C95.2 43.96,20.58 ; v1(47.79,31.4) 47.77,31.42 C98.2 ; v1(50.99,31.4) 51.35,31.76 52.41,31.76 52.42,31.75 ; v1(38.5,35.52) 38.51,35.53 C108.2 ; 51.37,31.75 51.36,31.76 ; C103.2 43.5,39.71 v1(43.99,40.2) ; v1(43.79,33) 43.02,32.22 43.01,32.22 43.01,32.18 v1(43.79,31.4) ; C98.2 47.77,32.98 v1(47.79,33) 47.47,33.32 C85.2 47.47,33.48 v1(47.79,33.8) 47.87,33.88 C90.2 ; v1(46.19,34.6) v1(45.39,34.6) 45.26,34.73 C78.2 ; v2(46.39,22.8) 46.54,22.65 Y1.2 46.54,22.25 C92.2 47.16,23.22 v2(46.99,23.4) ; v2(38.52,21.12) 38.52,20.5 ; v2(50.99,35.4) 51.11,35.53 C114.2 ; C91.2 44.81,32.22
  Bottom w0.305: 47.71,26.8 47.71,27.32 v1(47.79,27.4) U17.R11 C69.2 ; C119.2 56.84,33.9 R106.1 ; v2(57.32,33.05) R106.1 ; R106.1 v2(57.32,34.84)
  Bottom w0.381: C104.2 46.99,38.63 C102.2 v2(46.99,37.8) 46.19,37 C89.2 ; C116.2 52.84,37.91 C110.2 v2(51.79,38.6) ; R107.2 34.68,22.89 v2(35.29,23.5) ; R107.2 34.6,22.89 v2(35.29,22.2) ; R107.2 v2(35.29,22.89) 35.88,22.89 v2(35.89,22.9) ; v2(54.17,31.6) 53.71,31.6 C120.2 ; 47.67,30.8 47.67,31.28 v1(47.79,31.4) ; v1(50.19,33.8) 49.52,33.12 49.39,33.12 ; v2(55.29,33.35) 55.59,33.05 C119.2 ; 52.42,31.75 52.42,32.69 52.38,32.73 ; C105.2 43.51,38.08 v1(43.79,37.8) ; v1(41.39,37) 41.31,37.08 C70.2 ; v2(39.44,21.77) 39.59,21.92 C67.2 C57.2 ; C114.2 52.82,35.53 C118.2 52.82,36.17 52.79,36.2 ; 41.61,39.67 41.61,38.63 41.61,38.62 ; C78.2 44.82,34.72 43.79,34.72 ; v1(40.59,30.6) 40.33,30.34 C106.2 ; 49.17,19.42 48.24,19.42 v2(48.24,18.31)
  Bottom w0.508: C81.2 35.23,31.38 35.23,32.2 ; C103.2 43.5,38.63 ; v2(35.69,34.2) 35.68,34.21 C84.2 35,33.16 C27.2 ; 35.23,32.2 v2(36.04,32.2) ; 35.23,32.2 C27.2 ; C113.2 40.13,33.3 C107.2 39.12,33.32 C112.2 39.09,34.48 C108.2 ; v2(36.06,32.92) C27.2 ; C106.2 39.09,30.34 C109.2 C59.2 C60.2
  vias: v1(52.19,25) v2(8.59,47.4) v2(31.74,51.05) v2(32.69,51.05) v2(33.74,51.05) v2(34.89,51.05) v2(42.99,50.2) v2(44.04,50.25) v2(46.24,51.3) v2(46.19,50.1) v2(46.99,22.8) v2(47.39,51.35) v2(52.69,36.2) v4(37.47,3.96)
GNDA: length 108.2
  Top w0.203: SMA1.1 v2(89.06,47.68) ; 78.67,46.76 79.15,46.76 79.15,47.78 ; v2(78.63,13.12) 78.64,13.11 R98.2 79.14,12.08 C140.2 ; C126.2 82.06,46.27 v2(82.06,46.27) ; R75.1 88.3,49.16 v2(87.74,48.6) ; v2(78.64,12.08) 78.65,12.06 C140.2 ; C137.2 88.24,17.34 v2(88.25,17.35) ; v2(89.09,17.21) 89.1,17.22 SMA3.2 ; C140.2 C141.2 78.65,11.02 v2(78.63,11.04) ; U20.2 85.03,12.13 v2(85.05,12.15) ; 79.15,47.78 v2(78.55,47.78) 78.55,47.79 ; 79.15,47.78 79.13,47.81 79.13,48.81 v2(78.56,48.81) ; SMA3.1 89.09,12.12 v2(89.08,12.11) ; v2(85.36,50.8) 85.36,50.8 C125.2 v2(85.36,49.65) ; v2(85.31,14.17) C138.2 85.31,15.25 v2(85.31,15.25) ; R94.1 87.89,13.22 v2(87.89,13.05) ; SMA2.2 89.02,35 v2(89.01,34.99) ; C142.2 81.11,10.09 v2(81.47,10.45) ; C130.2 88.8,52.28 v2(88.96,52.44) 89.3,52.78 SMA1.2 ; v2(81.35,49.61) 81.34,49.61 R77.2 81.34,50.84 v2(81.34,50.85) ; v2(83.51,47.9) 83.51,47.9 U18.2 85.24,47.9 v2(85.24,47.9)
  Top w0.25: v2(76.69,47.3) 75.59,47.3 ; R85.1 88.25,31.4 v2(87.69,30.84) ; 89.59,29.85 TP17.1 ; C44.2 88.27,35.08 v2(88.29,35.1) ; 89.84,9.05 89.84,12.05 ; v2(81.31,15.22) R97.2 v2(81.31,14.09) ; v2(81.46,28.42) 81.16,28.12 ; 91.78,12.11 SMA3.1 ; 79.49,26.45 v2(80.14,27.1) ; 89.49,44.45 89.49,47.8 89.54,47.85 ; v2(85.34,33) 85.36,32.98 C53.2 ; 91.78,47.67 SMA1.1
  Top w0.254: 68.09,21.28 C18.2 ; 68.09,21.28 C17.2 ; 68.09,21.28 v2(68.54,21.28) ; v2(77.24,17.3) 76.67,17.3 C40.2 76.65,17.31 ; U7.5 70.86,22.08 ; C36.2 70.47,17.28 U9.2 ; U7.2 70.96,22.89 71.21,23.14 C21.2
  Top w0.349: R89.2 v2(78.64,31) ; C86.2 78.69,29 v2(78.64,29.05) ; v2(81.39,31.9) 81.4,31.91 R88.2 81.4,33.09 v2(81.39,33.1) ; C66.2 v2(78.69,30) ; C50.2 67.99,27.56 C51.2
  Top w0.381: R43.2 v2(61.69,25.75) ; 72.26,25.75 v2(72.89,25.75) ; 72.26,25.75 C52.2 v2(72.99,24.91) ; 72.26,25.75 72.26,26.11 U12.1 ; U12.1 U12.2 71.71,27.38 v2(71.7,27.39) ; U12.1 73.61,26.43 v2(73.61,26.42) ; v2(74.34,15.63) 74.33,15.64 C38.2 74.1,16.48 ; v2(74.59,22.79) C20.2 73.55,22.27 C22.2 72.67,23.14 C21.2 71.67,22.56 v2(71.67,22.45) ; U9.2 73.34,17.25 74.1,16.48 ; U14.2 74.02,32.4 C56.2 74.59,31.5 v2(74.14,31.05) ; C18.2 67.81,20.77 v2(67.8,20.75) ; v2(68.39,15.81) 67.77,16.44 67.7,16.44 v2(67.7,15.75) ; v2(85.13,30.13) 85.11,30.11 U15.2 ; 74.1,16.48 74.81,16.48 C39.2 76.65,17.31 ; v2(58.94,53) 58.92,53.02 R36.2 v2(58.92,54.92) ; v2(78.17,9.78) 77.96,9.97 TP25.1 ; v2(67.24,32.25) C49.2 ; 67.99,27.62 67.99,28.08 v2(67.42,28.08) ; v2(67.79,31.88) C31.2 ; v2(67.46,25.53) C54.2
  Bottom w0.203: v2(57.34,28.65) 57.03,28.96 55.88,28.96 C25.2 54.72,29.4 C23.2 C24.2 54.75,30.53 57.07,30.53 57.44,30.9 v2(57.44,31.1)
  Bottom w0.25: v2(57.59,26.25) 57.77,26.42 58.34,26.42 v2(58.34,27.28)
  Bottom w0.305: v2(58.34,33.92) 58.36,33.9 R106.2 ; v2(59.14,32.82) 59.14,32.82 R106.2 ; R106.2 v2(60.2,33.9)
  Bottom w0.381: 58.34,26.42 57.23,27.54 57.21,27.52 C100.2 55.97,27 v2(55.47,27) 53.66,27 C75.2 53.09,27.6 51.64,27.6 C77.2
  vias: v2(57.48,27.23) v2(70.96,22.62) v2(71.31,23.17) v2(71.61,17.25) v2(72.43,17.26) v2(73.08,22.71) v2(73.34,17.25) v2(73.74,32.4) v2(75.19,16.91) v2(78.62,46.76) v2(90.49,52.8) v2(90.49,35) v2(90.49,29.9) v2(90.52,17.22) v2(90.49,12.12) v2(90.59,47.7) v2(91.79,52.8) v2(91.79,47.7) v2(91.79,35) v2(91.79,29.9) v2(91.79,17.2) v2(91.79,12.1) v2(92.99,52.8) v2(92.99,47.7) v2(93.09,35) v2(93.09,29.9) v2(93.09,17.2) v2(93.09,12.1)
VBAT: length 4.3
  Top w0.254: U17.T9 U17.U9 45.79,25.21 v1(45.48,24.9)
  Bottom w0.254: R50.2 44.1,25 44.8,25 44.91,24.88 45.46,24.88 v1(45.48,24.9) 45.5,24.88 C63.1
VBUS: length 98.4
  Top w0.254: U4.A2 14.17,59.97
  Top w0.381: 16.17,61.73 16.17,60.37 C8.1 16.24,60 16.24,59.56 ; 16.17,61.73 16.24,61.66 16.24,59.56 ; 16.17,61.73 18.03,61.73 C9.1 ; 14.15,59.14 14.15,59.23 13.79,59.59 13.77,59.59 ; 14.15,59.14 14.22,59.07 16.13,59.07 16.24,58.96 ; 14.15,59.14 14.15,59.61 ; D4.2 16.24,58.96 ; 16.24,58.96 16.24,59.56
  Top w0.508: R26.2 22.03,54.84 21.01,55.86 v3(19.89,55.86) 16.9,55.86 16.24,56.52 D4.2
  Bottom w0.203: R56.1 50.41,24.07 51.18,24.07 52.09,23.16 52.09,17.63 49.96,15.5 29.57,15.5 27.37,17.7 27.37,46.9 24.68,49.59 21.6,49.59 19.89,51.3 v3(19.89,55.86)
